# Altium PCB Communication_Subsystem_ATmega2560AU.PcbDoc (part 2 of 2)
Units mil, origin at the board's own origin, x right, y up, seen from the top; angles counter-clockwise.
Board outline 3757.87 x 3555.12 mil, 4 copper layers (Top Layer, Ground, Power, Bottom Layer), stack 64.6 mil thick; 106 components, 90 nets, 532 pads, 250 vias.
Unrouted connection lines stored in the file: 75.
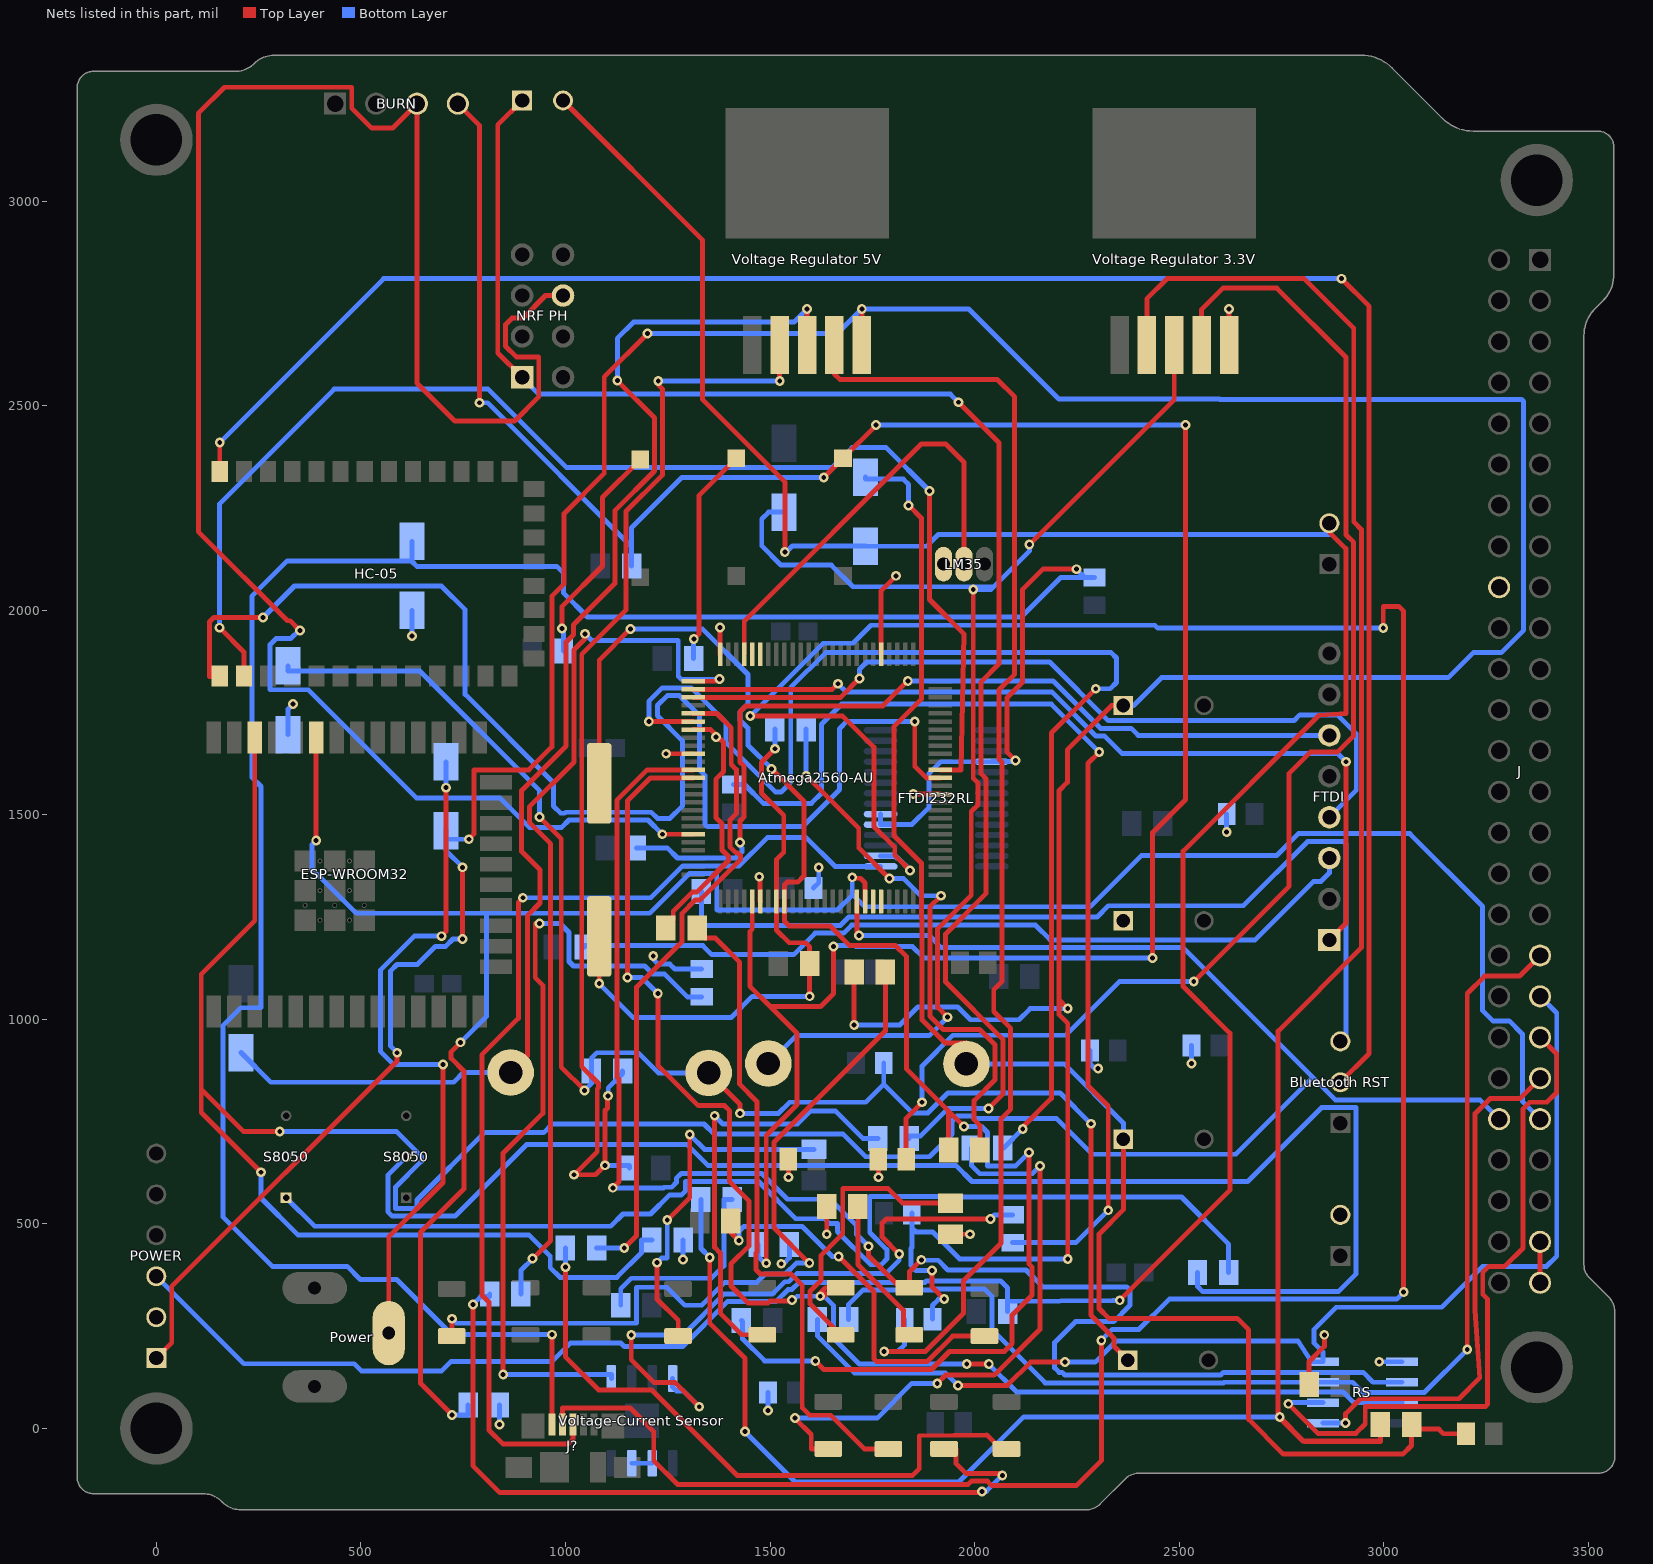
[diagram p4: the nets of this part, all layers, seen from the top]

## Via types
v1: diameter 24, hole 12, Top Layer to Bottom Layer, 250 vias

## Nets (pads, with @x,y where several pads share a name; then routed paths per layer and width w, separated by ;. In a path a pad name is that pad's centre, name@x,y a point inside that pad or via, vN(x,y) a via of type N, cw(c..) or ccw(c..) an arc to the next point about the centre after c; other vN are vias at no path point) (continued)
"Net9V P_1": "9V P.1" R6.2 | length 1929.3
  Top Layer w12: 722,225.79 722.69,225.79 v1(722.69,268.18) ; v1(1596,404.18) 1509.69,490.49 1509.69,699.18 1781.84,971.33 R6.2@1781.84,1115.13
  Bottom Layer w12: v1(722.69,268.18) 733.69,257.18 1173.69,257.18 1173.69,345.18 1247.69,345.18 1291.69,301.18 1333.31,301.18 1389.31,357.18 1467.69,357.18 1488.13,377.62 1537.68,377.62 1564.24,404.18 v1(1596,404.18)
"NetBluetooth RST_3": "Bluetooth RST.3" R35.2 | length 2227
  Bottom Layer w12: R35.2@1332.16,1312.13 1332.16,1241.18 1343.7,1229.64 1672.15,1229.64 1692.69,1250.18 2299.51,1250.18 2326.95,1277.62 2656.99,1277.62 2813.69,1434.32 2902.55,1434.32 2907.69,1429.18 2907.69,959.69 2894,946
NetBluetooth_1: Bluetooth.1 R22.2 | length 874.3
  Top Layer w12: v1(1223.69,405.18) 1223.69,316.18 1275.69,264.18 1275.69,225.79 Bluetooth.1@1275.14,225.79 ; v1(1248.69,509.18) 1303.69,564.18 v1(1303.69,718.18)
  Bottom Layer w12: v1(1223.69,405.18) 1234.69,416.18 1248.69,416.18 v1(1248.69,509.18) ; v1(1303.69,718.18) 1340.03,681.84 R22.2@1607.13,681.84
NetC9_P: C9.P C10.1 D1.A I1.2 R8.2 | length 3690
  Top Layer w12: v1(936.69,1494.18) 989.69,1441.18 989.69,883.18 v1(1046.69,826.18) ; I1.2@1350,869 1426.69,792.31 v1(1426.69,770.18) ; v1(2284.19,744.68) 2284.19,277.17 2340.18,221.18 2340.18,201.39 C9.P@2374.57,167
  Bottom Layer w12: D1.A@322,1864.25 322,1851.18 644.08,1851.18 936.69,1558.57 v1(936.69,1494.18) ; v1(1046.69,826.18) 1063.16,842.65 R8.2@1063.16,874.13 1063.16,904.65 1076.69,918.18 1177.51,918.18 1226.69,869 I1.2@1350,869 ; v1(1426.69,770.18) 1520.69,770.18 1547.69,797.18 1733.98,797.18 1777.98,841.18 ; C10.1@1777.98,893 1777.98,841.18 ; v1(2284.19,744.68) 2208.69,820.18 1934.98,820.18 1885.98,771.18 1847.98,771.18 1777.98,841.18
NetC13_2: "Voltage Regulator 5V.4" C13.2 | length 3217.7
  Top Layer w12: 1657.31,2648.06 1657.31,2577.18 1670.31,2564.18 2054.69,2564.18 2097.69,2521.18 2097.69,1843.18 2059.69,1805.18 2059.69,1636.18 2066.69,1629.18 2066.69,1092.18 2046.69,1072.18 2046.69,1019.18 2087.89,977.99 2087.89,780.38 2064.69,757.18 2064.69,453.18 1972.69,361.18 1972.69,281.18 1879.69,188.18 v1(1779,188.18)
  Bottom Layer w12: v1(1779,188.18) 1812.8,188.18 1829.02,204.4 C13.2@1829.02,267
NetC14_P: C14.P C15.1 D4.A I2.2 R14.2 | length 3836.2
  Top Layer w12: v1(1838.69,2256.18) 1869.69,2225.18 1869.69,1782.18 1802.69,1715.18 1802.69,1449.18 1869.69,1382.18 1869.69,1249.18 1871.69,1247.18 1871.69,998.18 1927.87,942 1979.89,942 I2.2@1979.89,891 ; C14.P@2363.57,707 2363.57,534.67 2304.02,475.12 2304.02,293.19 2328.03,269.18 2641.69,269.18 2669.69,241.18 2669.69,22.18 2754.69,-62.82 3046.69,-62.82 3067.84,-41.67 R14.2@3067.84,-1.82 ; R14.2@3067.84,10.13 R14.2@3067.84,-1.82 ; C15.1@3201.02,-13 3145.82,-13 3134.64,-1.82 R14.2@3067.84,-1.82
  Bottom Layer w12: D4.A@1733,2325.25 1733,2320.18 1825.69,2320.18 1838.69,2307.18 v1(1838.69,2256.18) ; I2.2@1979.89,891 2219.05,891 2363.57,746.48 C14.P@2363.57,707
NetC18_2: "Voltage Regulator 3.3V.4" C18.2 | length 3259.1
  Top Layer w12: C18.2@1832.67,658.18 1832.67,758.16 v1(1871.69,797.18) ; v1(2535.54,1092.03) 2768.69,1325.18 2768.69,1601.18 2820.69,1653.18 2886.69,1653.18 2926.32,1692.81 2926.32,2165.99 2907.69,2184.62 2907.69,2618.18 2738.69,2787.18 2606.69,2787.18 2554.93,2735.42 2554.93,2648.06
  Bottom Layer w12: v1(1871.69,797.18) 1871.69,886 1946.69,961 2222.51,961 2353.54,1092.03 v1(2535.54,1092.03)
NetD2_A: D2.A Power.2 | length 1690.2
  Top Layer w12: Power.2@568.1,232.92 568.1,468.59 700.69,601.18 v1(700.69,889.18) ; v1(696.69,1203.18) 707.69,1214.18 v1(707.69,1566.18)
  Bottom Layer w12: v1(696.69,1203.18) 630.69,1203.18 547.69,1120.18 547.69,922.18 580.69,889.18 v1(700.69,889.18) ; v1(707.69,1566.18) 708,1566.49 D2.A@708,1629.5
NetD3_C: "Voltage Regulator 5V.3" D3.C I1.1 | length 3295.8
  Top Layer w12: I1.1@866,870 906.69,910.69 906.69,1253.18 937.69,1284.18 937.69,1365.18 892.69,1410.18 892.69,1559.14 1001.69,1668.14 1001.69,1922.18 1019.69,1940.18 1019.69,1964.18 1120.69,2065.18 1120.69,2243.18 1217.65,2340.14 1217.65,2470.18 v1(1126.69,2561.14) ; 1590.38,2648.06 1590.38,2735.87 v1(1590.69,2736.18)
  Bottom Layer w12: D3.C@207,918.75 279.57,846.18 726.69,846.18 750.51,870 I1.1@866,870 ; v1(1126.69,2561.14) 1126.69,2664.18 1166.69,2704.18 1558.69,2704.18 v1(1590.69,2736.18)
NetD5_C: "Voltage Regulator 3.3V.3" D5.C I2.1 | length 3147.3
  Top Layer w12: v1(1933.69,1005.18) 1909.69,1029.18 1909.69,1221.18 1991.69,1303.18 1991.69,1507.8 2008.49,1524.59 2008.49,1577.18 1996.69,1588.98 v1(1996.69,2050.18) ; v1(2133.69,2160.18) 2488,2514.49 2488,2648.06
  Bottom Layer w12: I2.1@1495.89,892 1564.07,960.18 1888.69,960.18 v1(1933.69,1005.18) ; D5.C@1534,2239.75 1496.69,2239.75 1479.69,2222.75 1479.69,2157.18 1526.69,2110.18 1649.69,2110.18 1702.69,2057.18 2046.69,2057.18 ; v1(1996.69,2050.18) 2039.69,2050.18 2046.69,2057.18 ; v1(2133.69,2160.18) 2133.69,2144.18 2046.69,2057.18
NetESP-EN_2: ESP-EN.2 R?.1@995,1900 | length 548.6
  Top Layer w12: v1(991.69,1955.18) 991.69,2009.18 1090.58,2108.07 1090.58,2275.58 ESP-EN.2@1183,2368
  Bottom Layer w12: v1(991.69,1955.18) 995,1951.87 R?.1@995,1900
NetESP-IO0_2: ESP-IO0.2 R?.1@1313.25,1882 | length 532
  Top Layer w12: v1(1313.69,1929.18) 1326,1941.49 1326,2279.85 ESP-IO0.2@1417.15,2371
  Bottom Layer w12: R?.1@1313.25,1882 1313.25,1928.74 v1(1313.69,1929.18)
NetESP_1: ESP.1 R?.2@1403.84,507.13 | length 942.5
  Top Layer w12: R?.2@1403.84,507.13 1403.84,479.03 v1(1423.69,459.18) ; v1(1667.69,420.18) 1754,333.87 1754,170.21 1761.03,163.18 1883.59,163.18 1946.19,225.79 ESP.1@2024.14,225.79
  Bottom Layer w12: v1(1423.69,459.18) 1423.69,481.18 1436.15,493.64 1578.23,493.64 1651.69,420.18 v1(1667.69,420.18)
NetFTDI_3: FTDI.3 R?.1@1046.41,1177.13 | length 1981.6
  Bottom Layer w12: R?.1@1046.41,1177.13 1046.41,1180.18 1335.69,1180.18 1357.69,1158.18 1557.69,1158.18 1610.15,1210.64 1680.02,1210.64 1699.56,1230.18 2148.69,1230.18 2184.69,1194.18 2685.69,1194.18 2828.69,1337.18 2846.69,1337.18 2867,1357.49 FTDI.3@2867,1394
NetFTDI_6: FTDI.6 R?.1@1173.41,1419.13 | length 2153.7
  Top Layer w12: v1(1426.69,1432.18) 1426.69,1484.84 1436.69,1494.84 1436.69,1618.19 1426.69,1628.19 1426.69,1751.54 1441.34,1766.18 1775.69,1766.18 v1(1836.69,1827.18)
  Bottom Layer w12: R?.1@1173.41,1419.13 1173.41,1419.18 1248.69,1419.18 1273.69,1394.18 1416.17,1394.18 1431.22,1409.23 1431.22,1419.17 1428.99,1421.4 1428.99,1429.89 v1(1426.69,1432.18) ; v1(1836.69,1827.18) 2191.69,1827.18 2307.69,1711.18 2382.51,1711.18 2399.69,1694 FTDI.6@2867,1694
NetLED1_1: LED1.1 R12.2 | length 1446.8
  Top Layer w12: v1(1560.69,25.18) 1600.69,-14.82 1600.69,-50 LED1.1@1642.05,-50 ; v1(1908.69,110.18) 1928.69,130.18 2047.69,130.18 2159.69,242.18 v1(2159.69,641.18)
  Bottom Layer w12: v1(1560.69,25.18) 1761.69,25.18 1846.69,110.18 v1(1908.69,110.18) ; R12.2@1992.16,685.13 1992.16,643.05 2012.59,622.62 2141.13,622.62 v1(2159.69,641.18)
NetLED2_1: LED2.1 R13.2 | length 1592.6
  Top Layer w12: R13.2@1321.84,1223.13 1321.84,1216.44 1339.66,1198.62 1366.17,1198.62 1425.69,1139.1 1425.69,841.18 1467.84,799.03 1467.84,430.84 1465.69,428.69 1465.69,388.18 1476.69,377.18 1551.82,377.18 1578.69,350.31 1578.69,50.18 1596.69,32.18 1648.51,32.18 1730.69,-50 LED2.1@1789.14,-50
NetLED3_1: LED3.1 R15.2 | length 1979.1
  Top Layer w12: v1(773.69,303.18) 773.69,-90.82 839.69,-156.82 2014.69,-156.82 v1(2017.69,-153.82) ; LED3.1@1925.14,-50 1954.69,-50 1954.69,-85.82 1978.69,-109.82 2062.69,-109.82 v1(2067.69,-114.82)
  Bottom Layer w12: v1(773.69,303.18) 792.69,322.18 815,322.18 R15.2@815,329 ; v1(2017.69,-153.82) 2028.69,-153.82 v1(2067.69,-114.82)
NetLED4_1: LED4.1 R17.2 | length 1566.4
  Top Layer w12: v1(999.69,394.18) 999.69,175.18 1080.69,94.18 1210.17,94.18 1419.17,-114.82 1848.69,-114.82 1864.69,-98.82 1864.69,-17.82 2029.51,-15.82 2063.69,-50 LED4.1@2078,-50
  Bottom Layer w12: v1(999.69,394.18) 999.76,394.25 R17.2@999.76,441.31
"NetNRF PH_1": "NRF PH.1" "NRF PW.1" R21.1 | length 3950
  Top Layer w12: 894,2569 834.48,2628.52 834.48,3186.19 894,3245.71 ; v1(1960.69,2508.18) 2059.69,2409.18 2059.69,1868.69 2015.85,1824.85 2015.85,1600.14 2027.49,1588.5 2027.49,1306.98 1928.69,1208.18 1928.69,1091.45 2068.89,951.25 2068.89,817 v1(2034.17,782.28)
  Bottom Layer w12: 894,2569 934.82,2528.18 1940.69,2528.18 v1(1960.69,2508.18) ; R21.1@1840.01,708.31 1840.01,715.18 1868.34,715.18 1935.44,782.28 v1(2034.17,782.28)
NetNRF_1: NRF.1 R21.2 | length 1061.1
  Top Layer w12: v1(1364.69,764.18) 1364.69,442.42 1378.69,428.42 1378.69,281.18 1430.84,229.04 NRF.1@1481.14,229.04
  Bottom Layer w12: v1(1364.69,764.18) 1384.69,744.18 1566.9,744.18 1598.32,775.6 1660.27,775.6 1727.56,708.31 R21.2@1763.76,708.31
NetR2_1: R2.1 R3.2 | length 1371.1
  Top Layer w12: v1(1588.32,1595.18) 1716.83,1466.67 1716.83,1419.17 v1(1792,1344) ; v1(1918,1302) 1890.69,1274.69 1890.69,1008.18 1923.69,975.18 2012.51,975.18 2049.89,937.8 2049.89,852.38 1998.69,801.18 1998.69,754.86 2012.84,740.71 R3.2@2012.84,680.13
  Bottom Layer w12: v1(1588.32,1595.18) R2.1@1588.32,1709.13 ; v1(1792,1344) 1826.64,1344 1868.64,1302 v1(1918,1302)
NetR8_1: "Voltage Regulator 5V.2" R8.1 R11.2 | length 2853
  Top Layer w12: v1(1104,813) 1102.69,811.69 1102.69,783 1096.69,777 v1(1096.69,643.18) 1073.51,620 v1(1021,620) 1077.69,676.69 1077.69,830.05 1080.69,833.05 1080.69,843.18 1039.69,884.18 1039.69,1892.18 1147.69,2000.18 1147.69,2241.18 1236.69,2330.18 1236.69,2541.18 1226.69,2551.18 v1(1226.69,2560.18) ; 1523.45,2648.06 1523.45,2560.43 v1(1523.69,2560.18)
  Bottom Layer w12: v1(1096.69,643.18) 1156.07,643.18 R11.2@1156.07,636.13 ; v1(1104,813) 1104.62,813.62 1104.62,832.65 1139.41,867.44 R8.1@1139.41,874.13 ; v1(1226.69,2560.18) v1(1523.69,2560.18)
NetR14_1: "Voltage Regulator 3.3V.2" R14.1 R16.2 | length 6065
  Top Layer w12: v1(1352.69,418.18) 1352.69,257.18 1438.69,171.18 v1(1438.69,-7.82) ; 2421.07,2648.06 2421.07,2761.18 2470.07,2810.18 2805.69,2810.18 2926.69,2689.18 2926.69,2215.71 2945.32,2197.08 2945.32,1174.81 2741.69,971.18 2741.69,29.18 2801.87,-31 2804.87,-31 ; v1(2745.69,28.18) 2804.87,-31 ; R14.1@2991.59,10.13 2991.59,-31 ; 2804.87,-31 2805.69,-31.82 2991.59,-31.82 2991.59,-31 ; 2804.87,-31 2991.59,-31
  Bottom Layer w12: R16.2@1331.16,560.13 1331.16,439.72 v1(1352.69,418.18) ; v1(1438.69,-7.82) 1561.69,-130.82 1961.26,-130.82 2120.26,28.18 v1(2745.69,28.18)
NetR16_1: R16.1 R18.2 | length 498.3
  Bottom Layer w12: R18.2@1135.16,301.13 1135.16,341.18 1161.16,367.18 1356.69,367.18 1386.98,397.47 1386.98,559.18 1407.41,559.18 R16.1@1407.41,560.13
NetR25_1: "Voltage-Current Sensor.5" R25.1 | length 1946.9
  Top Layer w12: v1(847.69,132.18) 847.69,673.18 944.69,770.18 944.69,1083.25 926.16,1101.79 926.16,1234.18 v1(936.69,1234.18)
  Bottom Layer w12: v1(847.69,132.18) 1112,132.18 1112,122.09 ; v1(936.69,1234.18) 986.69,1234.18 1008.69,1212.18 1008.69,1141.18 1019.69,1130.18 1193.69,1130.18 1212.69,1111.18 1241.69,1111.18 1297.85,1055.02 R25.1@1333,1055.02
NetR26_1: R26.1 R27.2 | length 2580.3
  Top Layer w12: v1(2304.69,1653.18) 2276.69,1625.18 2276.69,838.18 2326.69,788.18 v1(2326.69,533.18)
  Bottom Layer w12: R27.2@1410,1573.98 1437.52,1573.98 1483.64,1527.86 1601.11,1527.86 1625.69,1552.44 1625.69,1721.18 1674.69,1770.18 2187.69,1770.18 v1(2304.69,1653.18) ; R26.1@2093,454.02 2247.53,454.02 v1(2326.69,533.18)
NetR26_2: "Voltage-Current Sensor.8" R26.2 | length 1546.1
  Top Layer w12: v1(1160.69,228.18) 1160.69,168.18 1216.19,112.68 1267.32,112.68 v1(1327,53) ; v1(1815.69,426.18) 1773.72,468.16 1773.72,501.18 1784.72,512.18 v1(2038.9,512.18)
  Bottom Layer w12: v1(1160.69,228.18) 1287.18,228.18 1387.82,328.82 1506.46,328.82 1536.26,358.62 1545.55,358.62 1566.11,379.18 1783.69,379.18 1815.69,411.18 v1(1815.69,426.18) ; 1262,122.09 1262,101.02 1271.15,91.87 1288.13,91.87 v1(1327,53) ; v1(2038.9,512.18) 2048.69,521.98 R26.2@2093,521.98
NetR30_2: "TX LED.1" R30.2 | length 699.3
  Top Layer w12: 1673.14,229.04 1597.69,304.49 1597.69,335.18 1624.69,362.18 1624.69,423.18 1677.69,476.18 1677.69,586.18 1788.69,586.18 1824.03,550.84 R30.2@1940.87,550.84
NetR31_2: "RX LED.1" R31.2 | length 373.8
  Top Layer w12: R31.2@1714.86,542.13 1714.86,400.18 1825.69,289.35 1825.69,229.04 1840.53,229.04
NetR?_2: R?.2@2544.75,381 S8050.2@611,664 | length 3557.5
  Bottom Layer w12: S8050.2@611,664 566.05,619.05 566.05,529.69 576.69,519.05 730.07,519.05 904.65,693.62 1297.32,693.62 1347.76,643.18 1954.02,643.18 1993.59,603.62 2667.13,603.62 2847.69,784.18 2931.69,784.18 2931.69,377.18 2889.69,335.18 2556.69,335.18 2544.75,347.13 R?.2@2544.75,381
"NetVoltage-Current Sensor_2": "Voltage-Current Sensor.2" "Voltage-Current Sensor.3" | length 50
  Bottom Layer w12: 1162,-85 1212,-85
PE3: Atmega2560-AU.5 R17.1 | length 1595.8
  Top Layer w12: v1(1143.69,441.18) 1173.69,471.18 1173.69,1078.76 1274.08,1179.15 1274.33,1179.15 1285.02,1189.85 1285.02,1259.03 1317.85,1291.85 1329,1291.85 1427.36,1390.21 1427.36,1400.15 1420.33,1407.18 1416.34,1407.18 1401.69,1421.83 1401.69,1486.71 1417.69,1502.71 1417.69,1610.32 1405.19,1622.82 1405.19,1712.68 1370.39,1747.48 Atmega2560-AU.5@1312.03,1747.48
  Bottom Layer w12: R17.1@1076.01,441.31 1076.01,441.18 v1(1143.69,441.18)
PE4: Atmega2560-AU.6 R12.1 | length 3066.7
  Top Layer w12: v1(1203.69,1727.8) Atmega2560-AU.6@1312.03,1727.8 ; v1(2117.69,732.18) 2117.69,736.8 2187.69,806.8 2187.69,1699.69 v1(2296,1808)
  Bottom Layer w12: v1(1203.69,1727.8) 1203.69,1777.18 1236.69,1810.18 1307.69,1810.18 1392.69,1725.18 1392.69,1676.18 1513.69,1555.18 1526.69,1555.18 1550.69,1579.18 1550.69,1811.18 1635.69,1896.18 2333.69,1896.18 2346.69,1883.18 2346.69,1823.18 2331.51,1808 v1(2296,1808) ; R12.1@2068.41,685.13 2070.64,685.13 v1(2117.69,732.18)
PE5: Atmega2560-AU.7 R13.1 | length 634.3
  Top Layer w12: R13.1@1245.59,1223.13 1263.41,1240.95 1263.41,1264.28 1309.98,1310.85 1321.13,1310.85 1398.49,1388.21 1398.49,1398.16 1382.69,1413.96 1382.69,1478.25 1367.69,1493.25 1367.69,1586.51 1386.19,1605.01 1386.19,1676.97 1379.16,1684 1376.94,1684 1370.94,1690 v1(1367.69,1690) 1365.4,1692.3 1365.4,1697.6 1354.89,1708.11 Atmega2560-AU.7@1312.03,1708.11
PF0: Atmega2560-AU.97 LM35.2 | length 1065.1
  Top Layer w12: Atmega2560-AU.97@1436.83,1891.97 1436.83,1973.18 1869.83,2406.18 1929,2406.18 1974,2361.18 LM35.2@1974,2112.49
PF1: Atmega2560-AU.96
PF2: Atmega2560-AU.95
PG5: Atmega2560-AU.1 R15.1 | length 2214.2
  Top Layer w12: v1(919.69,415.18) 963.69,459.18 963.69,1429.18 911.69,1481.18 911.69,1519.18 1020.69,1628.18 1020.69,1903.18 1047.69,1930.18 v1(1047.69,1942.18) ; Atmega2560-AU.1@1312.03,1826.22 1367.9,1826.22 1373.22,1831.54 v1(1376.46,1831.54)
  Bottom Layer w12: R15.1@891.25,329 891.25,386.74 v1(919.69,415.18) ; v1(1047.69,1942.18) 1063.69,1926.18 1275.69,1926.18 1275.69,1838.18 1282.72,1831.15 1376.08,1831.15 v1(1376.46,1831.54)
PIO11: "Bluetooth RST.2" HC-05.34 | length 4999.5
  Top Layer w12: HC-05.34@154.98,2339 v1(154.98,2409.47) ; 2894,846 2964.32,916.32 2964.32,2742.55 v1(2896.69,2810.18)
  Bottom Layer w12: v1(154.98,2409.47) 555.69,2810.18 v1(2896.69,2810.18)
"RD + (OBC-COMM)": J.41 RS.5 | length 1284.3
  Top Layer w12: v1(2906.69,13) 2906.69,36.33 2943,72.64 3183.78,72.64 3234.69,123.55 3223.04,289.3 3223.04,769.53 3259.69,806.18 3332.2,806.18 J.41@3382.01,855.99
  Bottom Layer w12: RS.5@2851,13 v1(2906.69,13)
"RD - (OBC-COMM)": J.39 RS.6 | length 1697.6
  Top Layer w12: v1(2766.69,60.18) 2838.87,-12 2931.69,-12 2954.69,11 2954.69,53.64 3248.15,53.64 3253.69,59.18 3253.69,316.18 3242.04,327.84 3242.04,381.53 3256.69,396.18 3295.69,396.18 3340.69,441.18 3340.69,781.18 3356.69,797.18 3398.69,797.18 3422.69,821.18 3422.69,915.3 J.39@3382.01,955.99
  Bottom Layer w12: v1(2766.69,60.18) 2769.51,63 RS.6@2851,63
RESET: Atmega2560-AU.30 BURN.4 C4.1 R1.2 RST.2 | length 6255.6
  Top Layer w12: BURN.4@737,3238 789.69,3185.31 v1(789.69,2506.9) ; Atmega2560-AU.30@1456.52,1288.03 1456.52,1220.01 1450.69,1214.18 1450.69,1081.18 1500.69,1031.18 ; v1(1490.69,403.69) 1490.69,716.14 1565.89,791.33 1565.89,965.99 1500.69,1031.18 ; v1(1631.34,2324.18) RST.2@1678.16,2371 v1(1759.34,2452.18) ; v1(1655,1178) 1655,1062.49 1623.69,1031.18 1500.69,1031.18 ; v1(2434.69,1150.18) 2434.69,1456.18 2515.69,1537.18 v1(2515.69,2452.18)
  Bottom Layer w12: v1(789.69,2506.9) 809.69,2506.9 1161.41,2155.18 ; C4.1@1161.41,2108.13 1161.41,2155.18 ; R1.2@1471.07,450.13 1471.07,419.31 1486.69,403.69 v1(1490.69,403.69) ; v1(1631.34,2324.18) 1284.41,2324.18 1161.41,2201.18 1161.41,2155.18 ; v1(1655,1178) 1657.3,1180.3 1707.22,1180.3 1709.88,1177.64 1848.23,1177.64 1875.69,1150.18 v1(2434.69,1150.18) ; v1(1759.34,2452.18) v1(2515.69,2452.18)
RTS: R?.1@2621,381 S8050.1@317,564 | length 2822.8
  Bottom Layer w12: S8050.1@317,564 386.82,494.18 1110.69,494.18 1140.69,524.18 1207.69,524.18 1253.69,570.18 1282.69,570.18 1293.69,581.18 1293.69,603.64 1471.69,603.64 1562.69,512.64 1633.23,512.64 1645.33,500.54 1664.54,500.54 1664.54,481.34 1745.69,400.18 1771.69,400.18 1785.69,414.18 1785.69,437.04 1743.69,479.04 1743.69,567.18 1955.59,567.18 1957.15,565.62 2505.56,565.62 2621,450.18 R?.1@2621,381
RXD0: Atmega2560-AU.2 FTDI.1 | length 2132.7
  Top Layer w12: Atmega2560-AU.2@1312.03,1806.54 1652.05,1806.54 v1(1665.69,1820.18) ; FTDI.1@2867,1194 2907.69,1234.69 v1(2907.69,1629.52)
  Bottom Layer w12: v1(1665.69,1820.18) 1685.69,1800.18 2188.69,1800.18 2296.69,1692.18 2317.69,1692.18 2360.69,1649.18 2888.03,1649.18 v1(2907.69,1629.52)
RXD1: Atmega2560-AU.45
RXD2: "RX LED.2" Atmega2560-AU.12 RS.2 | length 3871.2
  Top Layer w12: v1(1115.69,588.18) 1130.98,603.47 1130.98,853.18 1125.69,858.47 1125.69,1535.18 1200.2,1609.69 Atmega2560-AU.12@1312.03,1609.69 ; v1(1740.69,445.18) 1740.69,422 1818.69,344 1840.53,344 1840.69,344 1840.69,383.18 v1(1869.69,412.18)
  Bottom Layer w12: v1(1115.69,588.18) 1239.53,588.18 1240.91,589.56 1259.44,589.56 1271.07,601.18 1271.07,611.18 1283.07,623.18 1479.69,623.18 1542.69,560.18 1646.69,560.18 1711.69,495.18 1711.69,474.18 v1(1740.69,445.18) ; v1(1869.69,412.18) 1869.69,411.18 1910.69,411.18 1934.69,387.18 2125.69,387.18 2166.69,346.18 2371.69,346.18 2379.69,338.18 2379.69,301.18 2339.69,261.18 2246.69,261.18 2195.69,210.18 2195.69,148.18 2206.69,137.18 2214.08,137.18 2220.88,130.38 2600.89,130.38 2607.69,137.18 2949.51,137.18 2973.69,113 RS.2@3045,113
RXD3: Atmega2560-AU.63 HC-05.1 | length 3324
  Top Layer w12: HC-05.1@154.98,1839 154.98,1838.18 129.69,1838.18 129.69,1971.18 140.69,1982.18 v1(260.69,1982.18) ; v1(1853.69,1728.18) 1853.69,1618.18 1881.87,1590 Atmega2560-AU.63@1915.97,1590
  Bottom Layer w12: v1(260.69,1982.18) 337.69,2059.18 696.69,2059.18 754.69,2001.18 754.69,1794.18 970.69,1578.18 970.69,1521.18 988.29,1503.59 998.23,1503.59 1000.82,1506.18 1209.59,1506.18 1224.77,1491 1255.51,1491 1285.69,1521.18 1285.69,1681.18 1225,1741.87 1225,1767.49 1248.69,1791.18 1278.69,1791.18 1327.76,1742.12 1327.76,1609.12 1340.69,1596.18 1340.69,1477.18 1346.69,1471.18 1579.69,1471.18 1669.69,1561.18 1669.69,1710.18 1687.69,1728.18 v1(1853.69,1728.18)
SCK: "NRF PH.7" Atmega2560-AU.20 BURN.3 | length 4876.6
  Top Layer w12: v1(351,1950) 326.94,1974.06 320.46,1974.06 102.69,2191.83 102.69,3214.18 166.69,3278.18 477.69,3278.18 477.69,3227.18 526.69,3178.18 577.18,3178.18 BURN.3@637,3238 637,2554.87 729.97,2461.9 875.41,2461.9 934.69,2521.18 934.69,2619.18 879.69,2619.18 853.48,2645.39 853.48,2697.97 869.69,2714.18 896.49,2714.18 951.3,2769 994,2769 ; v1(1236.69,1452.21) Atmega2560-AU.20@1312.03,1452.21
  Bottom Layer w12: v1(351,1950) 347.75,1950 328.49,1930.73 292.87,1930.73 278.29,1916.15 278.29,1805.38 371.49,1805.38 635.69,1541.18 839.69,1541.18 911.69,1469.18 990.69,1469.18 1008.69,1487.18 1201.72,1487.18 v1(1236.69,1452.21)
SCL: Atmega2560-AU.43 ESP-WROOM32.36 J.44 R4.2 | length 7491
  Top Layer w12: ESP-WROOM32.36@240.63,1688.65 240.63,1241.18 109.69,1110.24 109.69,829.18 ; v1(255.69,626.18) 109.69,772.18 109.69,829.18 ; v1(301.69,726.18) 212.69,726.18 109.69,829.18 ; Atmega2560-AU.43@1712.42,1288.03 1712.42,1210.45 v1(1717.69,1205.18)
  Bottom Layer w12: v1(255.69,626.18) 255.69,563.18 345.69,473.18 910.69,473.18 962.69,421.18 962.69,393.18 986.69,369.18 1125.69,369.18 1185.69,429.18 1185.69,460.13 R4.2@1211.16,460.13 ; v1(301.69,726.18) 586.69,726.18 647.69,665.18 647.69,652.83 585.05,590.18 585.05,538.05 636.95,538.05 636.95,558.44 801.69,723.18 946.69,723.18 967.69,744.18 1338.69,744.18 1363.69,719.18 1678.69,719.18 1733.69,664.18 1889.69,664.18 1944.74,719.23 1944.74,751.33 1956.69,763.28 1992.59,763.28 1998.69,757.18 2200.69,757.18 2287.69,670.18 2638.69,670.18 2826.65,858.14 ; v1(1717.69,1205.18) 1888.69,1205.18 1918.69,1175.18 2509.61,1175.18 2826.65,858.14 ; J.44@3282.01,755.99 3234.81,803.18 2881.61,803.18 2826.65,858.14
SDA: Atmega2560-AU.44 ESP-WROOM32.33 J.43 R5.2 | length 5674.2
  Top Layer w12: v1(390.63,1437.12) ESP-WROOM32.33@390.63,1688.65 ; v1(722.69,33.18) 645.69,110.18 645.69,479.18 752,585.49 752,873.23 720.54,904.69 720.54,920.54 v1(743.73,943.73) ; v1(1701,1347) 1703.3,1344.7 1721.17,1344.7 1732.11,1333.76 Atmega2560-AU.44@1732.11,1288.03
  Bottom Layer w12: v1(390.63,1437.12) 380.69,1427.18 380.69,1367.18 488.69,1259.18 806.62,1259.18 ; v1(722.69,33.18) 762.16,33.18 R5.2@762.16,57.13 ; v1(743.73,943.73) 806.62,1006.62 806.62,1259.18 ; 1701,1303.49 1664.99,1267.48 1369.69,1267.48 1369.69,1356.18 1302.69,1356.18 1205.69,1259.18 806.62,1259.18 ; v1(1701,1347) 1701,1305.87 1731.69,1275.18 2282.54,1275.18 2407.54,1400.18 2737.69,1400.18 2791.19,1453.68 3063.69,1453.68 3241.69,1275.68 3241.69,1021.18 3266.69,996.18 3306.69,996.18 3338.69,964.18 3338.69,799.3 J.43@3382.01,755.99
"TD + (OBC-COMM)": J.37 R7.2 RS.8 | length 2805.3
  Top Layer w12: v1(1959.11,105.18) 2079.92,105.18 2136.92,162.18 v1(2220.69,162.18)
  Bottom Layer w12: R7.2@1615.76,266.31 1615.76,226.3 1706.88,135.18 1929.11,135.18 v1(1959.11,105.18) ; v1(2220.69,162.18) 2294.69,162.18 2346.69,214.18 2790.69,214.18 2823.69,163 RS.8@2851,163 2851,187.18 2829.69,208.49 2829.69,242.18 2883.69,296.18 3141.69,296.18 3241.69,396.18 3397.69,396.18 3422.69,421.18 3422.69,1015.3 J.37@3382.01,1055.99
"TD - (OBC-COMM)": J.35 R7.1 RS.7 | length 2848.7
  Top Layer w12: v1(3204.04,192.78) 3204.04,1063.02 3246.69,1105.67 3331.69,1105.67 J.35@3382.01,1155.99
  Bottom Layer w12: R7.1@1692.01,266.31 1692.01,303.5 1726.69,338.18 1900.69,338.18 1903.85,341.34 2023.53,341.34 2042.69,322.18 2042.69,241.18 2172.5,111.38 2608.18,111.38 2609.8,113 RS.7@2851,113 2923.97,113 2948.97,88 3099.26,88 v1(3204.04,192.78)
TXD0: Atmega2560-AU.3 FTDI.4 | length 1984.8
  Top Layer w12: Atmega2560-AU.3@1312.03,1786.85 1672.36,1786.85 v1(1718.69,1833.18)
  Bottom Layer w12: v1(1718.69,1833.18) 1718.69,1855.18 1736.69,1873.18 2183.69,1873.18 2326.69,1730.18 2780.69,1730.18 2794.69,1744.18 2886.69,1744.18 2932.69,1698.18 2932.69,1559.69 FTDI.4@2867,1494
TXD1: Atmega2560-AU.46
TXD2: "TX LED.2" Atmega2560-AU.13 RS.3 | length 3506.3
  Top Layer w12: v1(1151.69,1102.18) 1151.69,1533.9 1207.79,1590 Atmega2560-AU.13@1312.03,1590 ; v1(1225.69,1063.18) 1225.69,888.18 1324.69,789.18 1388.55,789.18 1401.37,776.36 1401.37,603.22 1448.84,555.75 1448.84,446.33 1404.69,402.18 1404.69,348.18 1446.69,306.18 1494.75,306.18 1500.27,311.71 1551.57,311.71 v1(1553.69,313.83) ; v1@1632.69,323.18 v1(1622.69,323.18) ; v1(1980.69,157.18) v1(2034.69,157.18) ; v1(1622.69,323.18) 1673.14,344 1635.51,344 1622.69,331.18 v1(1622.69,323.18)
  Bottom Layer w12: v1(1151.69,1102.18) 1186.69,1102.18 v1(1225.69,1063.18) ; v1(1553.69,313.83) 1556.94,313.83 1566.29,323.18 v1(1622.69,323.18) ; v1@1632.69,323.18 1654.69,301.18 1654.69,221.18 1718.69,157.18 v1(1980.69,157.18) ; v1(2034.69,157.18) 2102.69,89.18 2900.69,89.18 2926.87,63 RS.3@3045,63
TXD3: Atmega2560-AU.64 HC-05.2 | length 3206.7
  Top Layer w12: v1(154.69,1957.18) 214.04,1897.84 HC-05.2@214.04,1839 ; v1(1889.69,2291.18) 1889.69,2026.18 1973.69,1942.18 1966.69,1609.69 Atmega2560-AU.64@1915.97,1609.69
  Bottom Layer w12: v1(154.69,1957.18) 154.69,2260.18 434.68,2540.17 810.83,2540.17 1001.82,2349.18 1652.59,2349.18 1700.59,2397.18 1783.69,2397.18 v1(1889.69,2291.18)
"USB D+": FTDI232RL.15 J?.3 | length 2574.5
  Top Layer w12: v1(895.69,1297.18) 884.69,1286.18 884.69,1002.18 795.69,913.18 795.69,326.18 812.69,309.18 812.69,-3.82 846.69,-37.82 1006.69,-37.82 1018.27,-26.24 J?.3@1018.27,9.73
  Bottom Layer w12: v1(895.69,1297.18) 1208.69,1297.18 1286.69,1375.18 1424.04,1375.18 1493.04,1444.18 1588.17,1444.18 1658.69,1373.66 FTDI232RL.15@1770.17,1373.66
"USB D-": FTDI232RL.16 J?.2 | length 6763.5
  Top Layer w12: J?.2@992.68,9.73 992.68,50.18 1157.69,50.18 1215.69,-7.82 1215.69,-78.82 1273.69,-136.82 1984.26,-136.82 1992.26,-128.82 2031.26,-128.82 2042.26,-139.82 2248.69,-139.82 2309.69,-78.82 v1(2309.69,215.18) ; v1(1451.69,1741.18) 1677.69,1741.18 1753.69,1665.18 1753.69,1471.31 1804.69,1420.31 1804.69,1401.31 v1(1842,1364) ; v1(2998.69,1956.18) 2998.69,2009.18 3036.69,2009.18 3048.69,1997.18 v1(3048.69,333.18)
  Bottom Layer w12: v1(1451.69,1741.18) 1629.69,1919.18 1702.69,1919.18 1746.69,1963.18 2440.69,1963.18 2447.69,1956.18 v1(2998.69,1956.18) ; FTDI232RL.16@1770.17,1399.25 1804.65,1399.25 1809.37,1394.54 1812.28,1394.54 1842,1364.82 v1(1842,1364) ; v1(2309.69,215.18) 2336.69,242.18 2401.69,242.18 2475.69,316.18 3031.69,316.18 v1(3048.69,333.18)
"USB V": C70.2 D7.A FTDI232RL.4 FTDI232RL.19 FTDI232RL.20 J?.1 | length 6098
  Top Layer w12: J?.1@967.09,9.73 v1(967.09,229.18) ; v1(2099.69,1632.83) 2099.69,1633.25 2078.69,1654.25 2078.69,1785.22 2116.69,1823.22 2116.69,2050.18 2166.69,2100.18 v1(2248.69,2100.18)
  Bottom Layer w12: D7.A@625,2168.25 625,2120.49 ; v1(967.09,229.18) 722.69,229.18 587.69,364.18 498.69,364.18 466.69,396.18 283.69,396.18 162.69,517.18 162.69,984.18 206.69,1028.18 255.69,1028.18 255.69,1569.12 233.49,1591.33 233.49,2033.98 320,2120.49 625,2120.49 ; FTDI232RL.20@1770.17,1501.62 FTDI232RL.19@1770.17,1476.02 1846.69,1476.02 1888.69,1518.02 1888.69,1601.18 1917.08,1629.57 FTDI232RL.4@2041.83,1629.57 2042.54,1630.29 2093.9,1630.29 2096.44,1632.83 v1(2099.69,1632.83) ; v1(2248.69,2100.18) C70.2@2268.9,2079.98 ; C70.2@2293,2079.98 C70.2@2268.9,2079.98 ; 625,2120.49 625,2118.87 636.69,2107.18 978.69,2107.18 994.69,2091.18 994.69,2042.18 1053.69,1983.18 2113.66,1983.18 2210.45,2079.98 C70.2@2268.9,2079.98
VBAT: J.49 J.51 | length 100
  Top Layer w12: J.51@3382.01,355.99 J.49@3382.01,455.99
VCC-3.3V(COMM): "ESP PW.2" "NRF PW.2" D4.C POWER.3 R10.1 | length 7591.6
  Top Layer w12: 994,3245.71 1334.69,2905.02 1334.69,2515.15 1536.08,2313.76 v1(1536.08,2141.92) ; v1(2354.69,313.18) 2623.69,582.18 2623.69,966.18 2509.69,1080.18 2509.69,1411.18 2841.69,1743.18 2907.32,1747.81 2907.32,2150.27 2867,2190.59 2867,2212.49
  Bottom Layer w12: POWER.3@0,372.02 213.84,158.18 483.69,158.18 501.69,140.18 696.69,140.18 719.69,163.18 966.69,163.18 1011.98,208.47 1135.69,208.47 1143.79,200.37 1286.24,200.37 1395.69,309.82 1514.33,309.82 1544.13,339.62 1553.42,339.62 1570.98,357.18 1878.53,357.18 1881.69,360.34 2063.53,360.34 2080.41,343.47 R10.1@2080.41,310.18 ; v1(1536.08,2141.92) 1539.32,2141.92 1554.15,2156.75 D4.C@1733,2156.75 1733,2156.18 1882.69,2156.18 1911.69,2185.18 2867,2185.18 2867,2212.49 ; R10.1@2080.41,286.13 R10.1@2080.41,310.18 ; v1(2354.69,313.18) 2337.69,313.18 R10.1@2080.41,310.18
VCC-5V(COMM): "Bluetooth PW.2" "Voltage Regulator 3.3V.5" Atmega2560-AU.10 Atmega2560-AU.31 Atmega2560-AU.61 Atmega2560-AU.80 Atmega2560-AU.100 C8.1 C16.P C17.1 C18.1 C?.2@1495.05,88 C?.2@2282.05,924 C?.2@2530.02,936 C?.2@2616.02,1502 D1.C D7.C J.18 LM35.1 POWER.2 R1.1 R4.1 R5.1 R9.1 R25.2 R30.1 R31.1 RS.1 | length 1629.7
  Top Layer w12: v1(1246.09,1649.06) Atmega2560-AU.10@1312.03,1649.06 ; Atmega2560-AU.100@1377.78,1891.97 v1(1377.78,1957.91) ; v1(1473.62,1348.38) 1475.72,1346.28 1475.72,1288.52 Atmega2560-AU.31@1476.2,1288.03 ; v1(1544.72,614.02) C17.1@1544.72,658.18 ; v1(1638.61,474.62) R31.1@1638.61,542.13 ; v1(1764.72,614.02) C18.1@1764.72,658.18 ; Atmega2560-AU.80@1771.48,1891.97 1771.48,2047.48 v1(1808,2084) ; v1(1850.03,1550.63) Atmega2560-AU.61@1915.97,1550.63 ; R30.1@1940.87,474.59 v1(1988.38,474.59) ; 2621.86,2648.06 v1(2621.86,2735.93) ; R9.1@2817.59,107.13 2817.59,163.67 2854.69,200.77 v1(2854.69,228.9)
  Bottom Layer w12: D1.C@322,1695.75 322,1758.43 334,1770.43 v1(334,1771) ; v1(625,1936.88) D7.C@625,1999.75 ; v1(838.41,9.62) R5.1@838.41,57.13 ; v1(1214.58,1155) 1214.58,1147.12 1226.69,1135 1255.24,1135 1267.27,1122.98 R25.2@1333,1122.98 ; v1(1287.41,412.62) R4.1@1287.41,460.13 ; v1(1495.05,43.83) C?.2@1495.05,88 ; v1(1527.32,402.62) 1533.07,402.62 1547.32,416.87 R1.1@1547.32,450.13 ; C8.1@1605.98,1321 1619,1334.02 v1(1619,1371) ; C?.2@2282.05,924 2282.05,891.18 2293.39,879.83 v1(2302.05,879.83) ; v1(2530.02,891.83) C?.2@2530.02,936 ; v1(2616.02,1457.83) C?.2@2616.02,1502 ; v1(2989,163) RS.1@3045,163
VCC-9V(COMM): "Voltage Regulator 5V.5" C11.P C12.1 C13.1 D2.C POWER.1 R6.1 | length 10114.5
  Top Layer w12: POWER.1@0,172.02 37.69,209.72 37.69,347.18 588.69,898.18 v1(588.69,918.18) ; v1(748.69,1196.18) v1(748.69,1371.49) ; v1(763.69,1440.18) 776.69,1453.18 776.69,1609.72 910.69,1609.72 966.69,1665.72 966.69,2034.18 996.69,2064.18 996.69,2236.18 1094.69,2334.18 1094.69,2570.18 v1(1200.69,2676.18) ; v1(1705.59,986.18) R6.1@1705.59,1115.13 ; 1724.24,2648.06 v1(1724.24,2736.18) ; v1(1895.69,386.18) 1895.69,346.18 v1(1925.69,316.18) ; v1(2227.69,414.18) 2227.69,990.18 2206.69,1011.18 2206.69,1047.18 ; v1(2227.69,1026.18) 2206.69,1047.18 ; C11.P@2363.57,1767 2334.84,1767 2226.69,1658.85 2226.69,1579.18 2206.69,1559.18 2206.69,1047.18
  Bottom Layer w12: v1(588.69,918.18) 572.82,934.05 572.82,1118.44 588.2,1133.82 637.82,1133.82 682.18,1178.18 707.05,1178.18 725.05,1196.18 v1(748.69,1196.18) ; D2.C@708,1461 D2.C@708,1440.18 ; v1(748.69,1371.49) 708,1412.18 D2.C@708,1440.18 ; v1(763.69,1440.18) D2.C@708,1440.18 ; v1(1200.69,2676.18) 1664.24,2676.18 v1(1724.24,2736.18) 1985.69,2736.18 2205.69,2516.18 2598.69,2516.18 2599.69,2515.18 3336.69,2515.18 3341.69,2510.18 3341.69,1951.18 3286.69,1896.18 3218.69,1896.18 3157.69,1835.18 2456.69,1835.18 2388.51,1767 C11.P@2363.57,1767 ; v1(1705.59,986.18) 1817.14,986.18 1861.14,1030.18 1958.69,1030.18 1989.87,999 2108.41,999 2135.59,1026.18 v1(2227.69,1026.18) ; C12.1@1846.67,526.18 1846.67,490.21 ; v1(1895.69,386.18) 1856.69,386.18 1844.25,398.63 1844.25,439.81 1846.67,442.23 1846.67,490.21 ; C13.1@1896.98,267 1896.98,301.18 1911.98,316.18 v1(1925.69,316.18) ; v1(2227.69,414.18) 1963.25,414.18 1897.25,480.18 1856.69,480.18 1846.67,490.21
XTAL1: Atmega2560-AU.34 C7.2 R3.1 Y1.2 | length 3869
  Top Layer w12: Y1.2@1082.43,1576.72 1082.43,1877.92 v1(1158.69,1954.18) ; v1(1503.69,1611.98) 1583.02,1532.64 1583.02,1350.51 1567.69,1335.18 1541.69,1335.18 1535.26,1328.75 Atmega2560-AU.34@1535.26,1288.03 1535.26,1239.62 1546.69,1228.18 1646.69,1228.18 1694.69,1180.18 1806.69,1180.18 1833.69,1153.18 1833.69,878.18 1936.59,775.28 ; v1(1610.69,165.18) 1631.69,144.18 1894.69,144.18 1938.69,188.18 2072.69,188.18 2091.69,207.18 2091.69,277.18 2140.69,326.18 2140.69,394.18 2132.69,402.18 v1(2132.69,674.18) ; R3.1@1936.59,680.13 1936.59,775.28 ; v1(1973.69,738.18) 1936.59,775.28
  Bottom Layer w12: v1(1158.69,1954.18) 1334.69,1954.18 1446,1842.87 1446,1770.84 1426.69,1751.54 1426.69,1730.83 1446,1711.52 1446,1669.67 v1(1503.69,1611.98) ; C7.2@1430.16,264.13 1432.76,261.53 1432.76,219.11 1486.69,165.18 v1(1610.69,165.18) ; v1(1973.69,738.18) 2016.69,738.18 2031.59,723.29 2031.59,641.62 2100.13,641.62 v1(2132.69,674.18)
XTAL2: Atmega2560-AU.33 C6.2 R2.2 Y1.1 | length 1439.8
  Top Layer w12: v1(1082.43,1087.18) Y1.1@1082.43,1202.7 ; v1(1512.07,1661.18) 1478.69,1627.81 1478.69,1553.18 1533.41,1498.47 1533.41,1408 1515.57,1390.17 Atmega2560-AU.33@1515.57,1288.03 1515.57,1218.3 1546.69,1187.18 1586.69,1187.18 1596.84,1177.03 C6.2@1596.84,1136.13 v1(1596.84,1056.18)
  Bottom Layer w12: v1(1082.43,1087.18) 1165.43,1004.18 1404.69,1004.18 1456.69,1056.18 v1(1596.84,1056.18) ; v1(1512.07,1661.18) R2.2@1512.07,1709.13
pads on no net: "NRF PH.4" "Voltage Regulator 3.3V.6" "Voltage Regulator 5V.6" "Voltage-Current Sensor.6" "Voltage-Current Sensor.7" "Voltage-Current Sensor.9" Atmega2560-AU.4 Atmega2560-AU.8 Atmega2560-AU.9 Atmega2560-AU.14 Atmega2560-AU.15 Atmega2560-AU.16 Atmega2560-AU.17 Atmega2560-AU.23 Atmega2560-AU.24 Atmega2560-AU.25 Atmega2560-AU.26 Atmega2560-AU.27 Atmega2560-AU.28 Atmega2560-AU.29 Atmega2560-AU.35 Atmega2560-AU.36 Atmega2560-AU.37 Atmega2560-AU.38 Atmega2560-AU.39 Atmega2560-AU.40 Atmega2560-AU.41 Atmega2560-AU.42 Atmega2560-AU.47 Atmega2560-AU.48 Atmega2560-AU.49 Atmega2560-AU.50 Atmega2560-AU.51 Atmega2560-AU.52 Atmega2560-AU.53 Atmega2560-AU.54 Atmega2560-AU.55 Atmega2560-AU.56 Atmega2560-AU.57 Atmega2560-AU.58 Atmega2560-AU.59 Atmega2560-AU.60 Atmega2560-AU.65 Atmega2560-AU.66 Atmega2560-AU.67 Atmega2560-AU.68 Atmega2560-AU.69 Atmega2560-AU.70 Atmega2560-AU.71 Atmega2560-AU.72 Atmega2560-AU.73 Atmega2560-AU.74 Atmega2560-AU.75 Atmega2560-AU.76 Atmega2560-AU.77 Atmega2560-AU.78 Atmega2560-AU.79 Atmega2560-AU.82 Atmega2560-AU.83 Atmega2560-AU.84 Atmega2560-AU.85 Atmega2560-AU.86 Atmega2560-AU.87 Atmega2560-AU.88 Atmega2560-AU.89 Atmega2560-AU.90 Atmega2560-AU.91 Atmega2560-AU.92 Atmega2560-AU.93 Atmega2560-AU.94 ESP-WROOM32.4 ESP-WROOM32.5 ESP-WROOM32.6 ESP-WROOM32.7 ESP-WROOM32.8 ESP-WROOM32.9 ESP-WROOM32.10 ESP-WROOM32.11 ESP-WROOM32.12 ESP-WROOM32.13 ESP-WROOM32.14 ESP-WROOM32.16 ESP-WROOM32.17 ESP-WROOM32.18 ESP-WROOM32.19 ESP-WROOM32.20 ESP-WROOM32.21 ESP-WROOM32.22 ESP-WROOM32.23 ESP-WROOM32.24 ESP-WROOM32.26 ESP-WROOM32.27 ESP-WROOM32.28 ESP-WROOM32.29 ESP-WROOM32.30 ESP-WROOM32.31 ESP-WROOM32.32 ESP-WROOM32.37 FTDI232RL.3 FTDI232RL.6 FTDI232RL.9 FTDI232RL.10 FTDI232RL.12 FTDI232RL.13 FTDI232RL.14 FTDI232RL.22 FTDI232RL.23 FTDI232RL.27 FTDI232RL.28 HC-05.3 HC-05.4 HC-05.5 HC-05.6 HC-05.7 HC-05.8 HC-05.9 HC-05.10 HC-05.11 HC-05.14 HC-05.15 HC-05.16 HC-05.17 HC-05.18 HC-05.19 HC-05.20 HC-05.23 HC-05.24 HC-05.25 HC-05.26 HC-05.27 HC-05.28 HC-05.29 HC-05.30 HC-05.31 HC-05.32 HC-05.33 J.01 J.02 J.03 J.04 J.05 J.06 J.07 J.08 J.09 J.13 J.17 J.19 J.21 J.22 J.23 J.24 J.25 J.26 J.27 J.28 J.33 J.34 J.36 J.38 J.40 J.42 J.47 J.48 J?.4 J?.S1 J?.S2 J?.S3 J?.S4 J?.S5 J?.S6 R?.2@2383.75,1479 S8050.2@317,664

## Polygon pours and split planes (outlines as drawn)
G on Ground (split plane): 175 vertices, not listed, extent -173.26,-178.78 3544.52,3336.26
VCC-5V(COMM) on Power (split plane): 175 vertices, not listed, extent -173.26,-178.78 3544.52,3336.26

## Silkscreen, mask and mechanical layers (free items; w line width, h text height)
Top Overlay:
  text "MISO" at 387,3138 h25
  text "SCK" at 618,3138 h25
  text "MOSI" at 502,3137 h25
  text "RST" at 716,3134 h25
  text "5V/" at 3132,2435 h25
  text "GND/GND" at 3044,2337 h25
  text "9V/" at 3129,2235 h25
  text "GND/GND" at 3047,2137 h25
  text "CO5V/" at 3077,2032 h25
  text "3.3V/" at 3096,1937 h25
  text "GND/GND" at 3051,1451 h25
  text "GND/GND" at 3052,1338 h25
  text "/TD-" at 3115,1142 h25
  text "/TD+" at 3112,1041 h25
  text "GND" at 2746,941 h25
  text "/RD-" at 3112,938 h25
  text "/RD+" at 3120,840 h25
  text "RST" at 2752,839 h25
  text "VCC" at 2750,736 h25
  text "9V" at -151,661 h25
  text "GND/GND" at 3048,638 h25
  text "5V" at -152,558 h25
  text "3.3V" at -163,460 h25
  text "GND/VBAT" at 3025,435 h25
  text "CO3.3V" at -178,359 h20
  text "GND/VBAT" at 3024,326 h25
  text "CO5V" at -162,258 h25
  text "CO9V" at -166,162 h25
Mechanical 1:
  lines w10: -193.31,-120.08 ccw(c-153.94,-120.08) -153.94,-159.45 114.17,-159.45 cw(c114.17,-223.13) 159.2,-178.1 161.27,-180.17 ccw(c206.3,-135.14) 206.3,-198.82 2272.83,-198.82 ccw(c2272.83,-150.82) 2306.78,-184.76 2368.42,-123.11 cw(c2402.36,-157.05) 2402.36,-109.06 3525.2,-109.05 ccw(c3525.2,-69.68) 3564.57,-69.68 3564.57,285.43 ccw(c3513.72,285.43) 3549.67,321.39 3528.54,342.52 3502.04,369.03 cw(c3532.62,399.61) 3489.37,399.61 3489.37,2671.26 cw(c3582.52,2671.26) 3516.65,2737.12 3535.32,2755.79 ccw(c3469.45,2821.65) 3562.6,2821.65 3562.6,3131.5 ccw(c3523.23,3131.5) 3523.23,3170.87 3218.5,3170.87 cw(c3218.5,3276.37) 3143.9,3201.77 3020.27,3325.4 ccw(c2945.67,3250.8) 2945.67,3356.3 292.91,3356.3 287.48,3356.3 ccw(c287.48,3289.09) 239.96,3336.61 cw(c192.44,3384.14) 192.44,3316.93 187.01,3316.93 -153.94,3316.93 ccw(c-153.94,3277.56) -193.31,3277.56 -193.31,-120.08

## Text inside footprints (layer, text, board x,y; h text height)
ESP-WROOM32: Mechanical 13 "ANTENNA" at -6.61,1117.78 h70 r90
J?: Mechanical 13 "PCB EDGE" at 1195.44,-144.21 h16